# KiCad board data-center-ddr5-tester.kicad_pcb (continued)
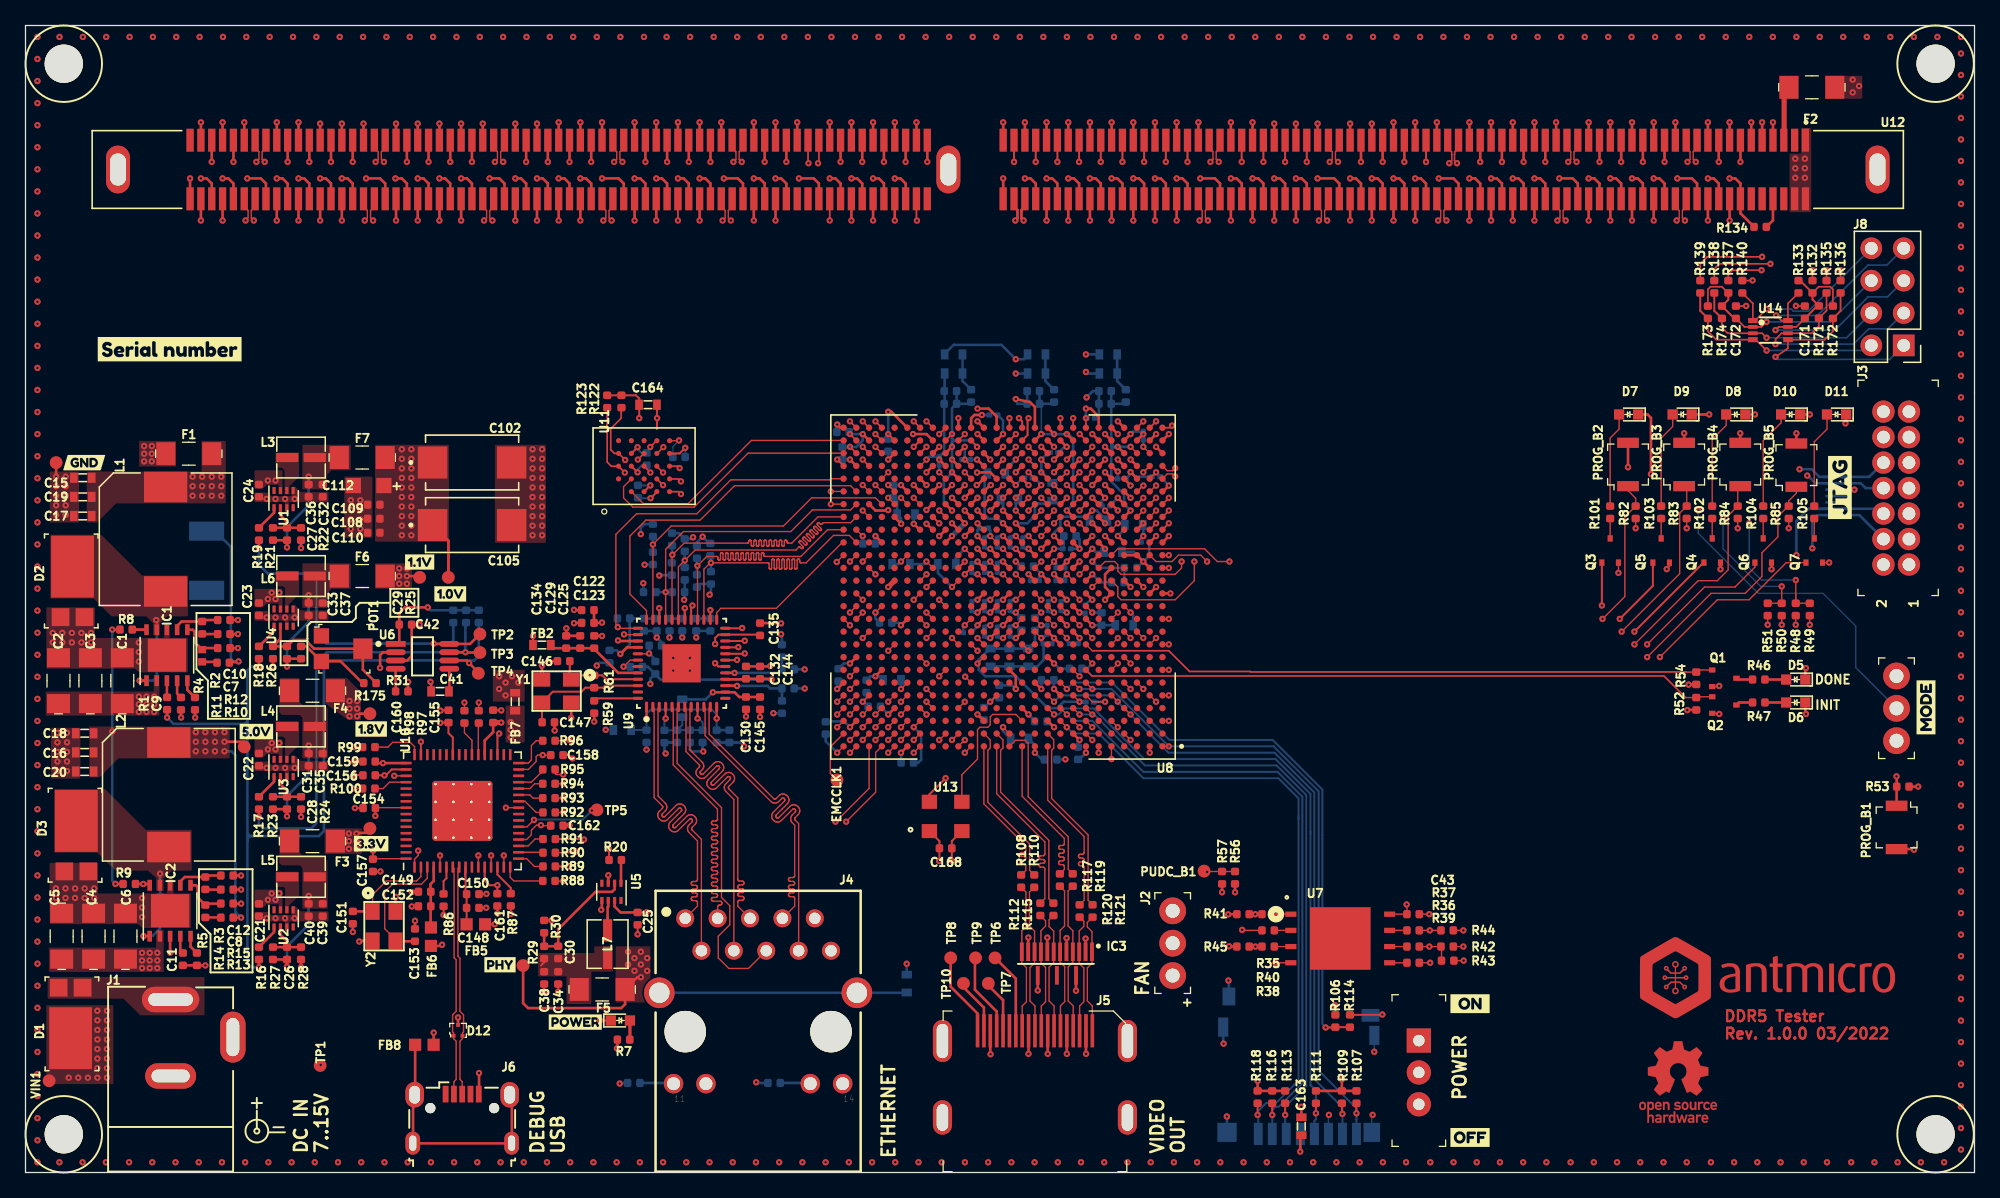
[diagram p0: board, top side]
## Routing (per net, layer and track width the routed paths; a pad name or vN(x,y) marks a point on that pad's centre or on a via; arc(x,y) is an arc through that point) (continued)
CB6_B: length 51.7
  Top w0.127: v3(80.64,52.94) U8.AA10
  Top w0.2: U12.234 v3(58.8,74.7)
  In5.Cu w0.127: v3(58.8,74.7) 58.8,74.2 58.8,74.17 58.79,74.14 58.77,74.12 58.75,74.1 58.73,74.09 58.7,74.08 58.67,74.07 58.54,74.07 58.51,74.07 58.48,74.06 58.46,74.05 58.44,74.03 58.42,74 58.41,73.97 58.41,73.95 58.41,73.92 58.42,73.89 58.44,73.87 58.46,73.85 58.48,73.83 58.51,73.82 58.54,73.82 59.06,73.82 59.09,73.82 59.12,73.81 59.14,73.79 59.16,73.77 59.18,73.75 59.19,73.72 59.19,73.69 59.19,73.66 59.18,73.64 59.16,73.61 59.14,73.59 59.12,73.58 59.09,73.57 59.06,73.56 58.54,73.56 58.51,73.56 58.48,73.55 58.46,73.54 58.44,73.52 58.42,73.49 58.41,73.47 58.41,73.44 58.41,73.41 58.42,73.38 58.44,73.36 58.46,73.34 58.48,73.32 58.51,73.31 58.54,73.31 59.06,73.31 59.09,73.31 59.12,73.3 59.14,73.28 59.16,73.26 59.18,73.24 59.19,73.21 59.19,73.18 59.19,73.16 59.18,73.13 59.16,73.1 59.14,73.08 59.12,73.07 59.09,73.06 59.06,73.06 58.54,73.06 58.51,73.05 58.48,73.04 58.46,73.03 58.44,73.01 58.42,72.99 58.41,72.96 58.41,72.93 58.41,72.9 58.42,72.87 58.44,72.85 58.46,72.83 58.48,72.82 58.51,72.81 58.54,72.8 59.06,72.8 59.09,72.8 59.12,72.79 59.14,72.78 59.16,72.76 59.18,72.73 59.19,72.7 59.19,72.68 59.19,72.65 59.18,72.62 59.16,72.6 59.14,72.58 59.12,72.56 59.09,72.55 59.06,72.55 58.54,72.55 58.51,72.55 58.48,72.54 58.46,72.52 58.44,72.5 58.42,72.48 58.41,72.45 58.41,72.42 58.41,72.39 58.42,72.37 58.44,72.34 58.46,72.32 58.48,72.31 58.51,72.3 58.54,72.3 59.06,72.3 59.09,72.29 59.12,72.28 59.14,72.27 59.16,72.25 59.18,72.22 59.19,72.2 59.19,72.17 59.19,72.14 59.18,72.11 59.16,72.09 59.14,72.07 59.12,72.05 59.09,72.04 59.06,72.04 58.54,72.04 58.51,72.04 58.48,72.03 58.46,72.01 58.44,71.99 58.42,71.97 58.41,71.94 58.41,71.91 58.41,71.89 58.42,71.86 58.44,71.83 58.46,71.81 58.48,71.8 58.51,71.79 58.54,71.79 59.06,71.79 59.09,71.78 59.12,71.77 59.14,71.76 59.16,71.74 59.18,71.72 59.19,71.69 59.19,71.66 59.19,71.63 59.18,71.6 59.16,71.58 59.14,71.56 59.12,71.55 59.09,71.54 59.06,71.53 58.54,71.53 58.51,71.53 58.48,71.52 58.46,71.51 58.44,71.49 58.42,71.46 58.41,71.43 58.41,71.41 58.41,71.38 58.42,71.35 58.44,71.33 58.46,71.31 58.48,71.29 58.51,71.28 58.54,71.28 58.67,71.28 58.7,71.28 58.73,71.27 58.75,71.25 58.77,71.23 58.79,71.21 58.8,71.18 58.8,71.15 58.8,70.03 59.14,69.69 75.39,69.69 80.14,64.94 80.14,57.69 78.64,56.19 78.64,54.94 79.14,54.44 79.14,53.69 79.39,53.44 U8.AA10 v3(80.64,52.94)
CB7_A: length 36.4
  Top w0.13: v3(80.64,53.94) U8.AA9
  Top w0.2: U12.205 v3(88.55,74.7)
  In5.Cu w0.127: v3(80.64,53.94) 80.14,54.44 80.14,56.44 80.64,56.94 80.64,57.94 81.76,59.06 81.76,60.69 85.01,63.94 88.14,63.94 88.55,64.35 88.55,70.65 88.55,70.68 88.56,70.7 88.58,70.73 88.6,70.75 88.62,70.76 88.65,70.77 88.68,70.78 88.81,70.78 88.83,70.78 88.86,70.79 88.88,70.8 88.9,70.82 88.92,70.85 88.93,70.87 88.93,70.9 88.93,70.93 88.92,70.96 88.9,70.98 88.88,71 88.86,71.02 88.83,71.03 88.81,71.03 88.29,71.03 88.27,71.03 88.24,71.04 88.22,71.06 88.2,71.08 88.18,71.1 88.17,71.13 88.17,71.16 88.17,71.18 88.18,71.21 88.2,71.24 88.22,71.26 88.24,71.27 88.27,71.28 88.29,71.28 88.81,71.28 88.83,71.29 88.86,71.3 88.88,71.31 88.9,71.33 88.92,71.35 88.93,71.38 88.93,71.41 88.93,71.44 88.92,71.47 88.9,71.49 88.88,71.51 88.86,71.52 88.83,71.53 88.81,71.54 88.29,71.54 88.27,71.54 88.24,71.55 88.22,71.56 88.2,71.58 88.18,71.61 88.17,71.64 88.17,71.66 88.17,71.69 88.18,71.72 88.2,71.74 88.22,71.76 88.24,71.78 88.27,71.79 88.29,71.79 88.81,71.79 88.83,71.79 88.86,71.8 88.88,71.82 88.9,71.84 88.92,71.86 88.93,71.89 88.93,71.92 88.93,71.95 88.92,71.97 88.9,72 88.88,72.02 88.86,72.03 88.83,72.04 88.81,72.05 88.29,72.05 88.27,72.05 88.24,72.06 88.22,72.07 88.2,72.09 88.18,72.12 88.17,72.14 88.17,72.17 88.17,72.2 88.18,72.23 88.2,72.25 88.22,72.27 88.24,72.29 88.27,72.3 88.29,72.3 88.81,72.3 88.83,72.3 88.86,72.31 88.88,72.33 88.9,72.35 88.92,72.37 88.93,72.4 88.93,72.43 88.93,72.45 88.92,72.48 88.9,72.51 88.88,72.53 88.86,72.54 88.83,72.55 88.81,72.55 88.29,72.55 88.27,72.56 88.24,72.57 88.22,72.58 88.2,72.6 88.18,72.62 88.17,72.65 88.17,72.68 88.17,72.71 88.18,72.74 88.2,72.76 88.22,72.78 88.24,72.79 88.27,72.8 88.29,72.81 88.81,72.81 88.83,72.81 88.86,72.82 88.88,72.83 88.9,72.85 88.92,72.88 88.93,72.91 88.93,72.93 88.93,72.96 88.92,72.99 88.9,73.01 88.88,73.03 88.86,73.05 88.83,73.06 88.81,73.06 88.29,73.06 88.27,73.06 88.24,73.07 88.22,73.09 88.2,73.11 88.18,73.13 88.17,73.16 88.17,73.19 88.17,73.22 88.18,73.24 88.2,73.27 88.22,73.29 88.24,73.3 88.27,73.31 88.29,73.31 88.81,73.31 88.83,73.32 88.86,73.33 88.88,73.34 88.9,73.36 88.92,73.39 88.93,73.41 88.93,73.44 88.93,73.47 88.92,73.5 88.9,73.52 88.88,73.54 88.86,73.56 88.83,73.57 88.81,73.57 88.29,73.57 88.27,73.57 88.24,73.58 88.22,73.6 88.2,73.62 88.18,73.64 88.17,73.67 88.17,73.7 88.17,73.72 88.18,73.75 88.2,73.78 88.22,73.8 88.24,73.81 88.27,73.82 88.29,73.82 88.42,73.82 88.45,73.83 88.48,73.84 88.5,73.85 88.52,73.87 88.54,73.89 88.55,73.92 88.55,73.95 v3(88.55,74.7)
CB7_B: length 51.6
  Top w0.13: U8.Y12 v3(78.64,52.94)
  Top w0.2: U12.236 v3(57.1,74.7)
  In5.Cu w0.127: v3(57.1,74.7) 57.1,74.2 57.1,74.17 57.09,74.14 57.07,74.12 57.05,74.1 57.03,74.09 57,74.08 56.97,74.07 56.83,74.07 56.8,74.07 56.77,74.06 56.75,74.05 56.73,74.03 56.71,74 56.7,73.97 56.7,73.95 56.7,73.92 56.71,73.89 56.73,73.87 56.75,73.85 56.77,73.83 56.8,73.82 56.83,73.82 57.37,73.82 57.4,73.82 57.43,73.81 57.45,73.79 57.47,73.77 57.49,73.75 57.5,73.72 57.5,73.69 57.5,73.66 57.49,73.64 57.47,73.61 57.45,73.59 57.43,73.58 57.4,73.57 57.37,73.56 56.83,73.56 56.8,73.56 56.77,73.55 56.75,73.54 56.73,73.52 56.71,73.49 56.7,73.47 56.7,73.44 56.7,73.41 56.71,73.38 56.73,73.36 56.75,73.34 56.77,73.32 56.8,73.31 56.83,73.31 57.37,73.31 57.4,73.31 57.43,73.3 57.45,73.28 57.47,73.26 57.49,73.24 57.5,73.21 57.5,73.18 57.5,73.16 57.49,73.13 57.47,73.1 57.45,73.08 57.43,73.07 57.4,73.06 57.37,73.06 56.83,73.06 56.8,73.05 56.77,73.04 56.75,73.03 56.73,73.01 56.71,72.99 56.7,72.96 56.7,72.93 56.7,72.9 56.71,72.87 56.73,72.85 56.75,72.83 56.77,72.82 56.8,72.81 56.83,72.8 57.37,72.8 57.4,72.8 57.43,72.79 57.45,72.78 57.47,72.76 57.49,72.73 57.5,72.7 57.5,72.68 57.5,72.65 57.49,72.62 57.47,72.6 57.45,72.58 57.43,72.56 57.4,72.55 57.37,72.55 56.83,72.55 56.8,72.55 56.77,72.54 56.75,72.52 56.73,72.5 56.71,72.48 56.7,72.45 56.7,72.42 56.7,72.39 56.71,72.37 56.73,72.34 56.75,72.32 56.77,72.31 56.8,72.3 56.83,72.3 57.37,72.3 57.4,72.29 57.43,72.28 57.45,72.27 57.47,72.25 57.49,72.22 57.5,72.2 57.5,72.17 57.5,72.14 57.49,72.11 57.47,72.09 57.45,72.07 57.43,72.05 57.4,72.04 57.37,72.04 56.83,72.04 56.8,72.04 56.77,72.03 56.75,72.01 56.73,71.99 56.71,71.97 56.7,71.94 56.7,71.91 56.7,71.89 56.71,71.86 56.73,71.83 56.75,71.81 56.77,71.8 56.8,71.79 56.83,71.79 57.37,71.79 57.4,71.78 57.43,71.77 57.45,71.76 57.47,71.74 57.49,71.72 57.5,71.69 57.5,71.66 57.5,71.63 57.49,71.6 57.47,71.58 57.45,71.56 57.43,71.55 57.4,71.54 57.37,71.53 56.83,71.53 56.8,71.53 56.77,71.52 56.75,71.51 56.73,71.49 56.71,71.46 56.7,71.43 56.7,71.41 56.7,71.38 56.71,71.35 56.73,71.33 56.75,71.31 56.77,71.29 56.8,71.28 56.83,71.28 56.97,71.28 57,71.28 57.03,71.27 57.05,71.25 57.07,71.23 57.09,71.21 57.1,71.18 57.1,71.15 57.1,68.98 57.39,68.69 74.89,68.69 79.14,64.44 79.14,58.94 78.14,57.94 78.14,53.44 v3(78.64,52.94)
CCLK: length 42.2
  Top w0.1: U8.C8 v1(82.64,34.94) ; R36.2 v1(110.06,17.73) 110.97,17.73 111.01,17.69 R43.1
  In9.Cu w0.1: v1(82.64,34.94) 83.64,33.94 83.64,30.64 84.84,29.44 93.04,29.44 102.74,19.74 110.39,19.74 110.74,19.39 110.74,17.99 110.48,17.73 v1(110.06,17.73)
CFGBVS: length 2.5
  Top w0.2: U8.P7 v1(83.64,46.94)
  Bottom w0.2: v1(83.64,46.94) 84.26,46.31 R55.2
CK_N: length 41.4
  Top w0.213: U12.218 77.5,75.78 77.77,75.52 77.77,74.87 v1(77.6,74.7) ; v1(80.64,55.94) U8.AD9
  In9.Cu w0.208: v1(80.64,55.94) 80.98,55.59 81.48,55.59 82.25,56.36 82.25,60.94 80.79,62.39 80.75,62.42 80.71,62.44 80.67,62.45 80.62,62.45 80.57,62.44 80.53,62.42 80.5,62.39 80.48,62.38 80.45,62.35 80.4,62.33 80.36,62.32 80.31,62.32 80.27,62.33 80.22,62.35 80.19,62.38 80.16,62.41 80.14,62.45 80.13,62.5 80.13,62.55 80.14,62.59 80.16,62.63 80.19,62.67 80.2,62.68 80.23,62.72 80.25,62.76 80.26,62.81 80.26,62.86 80.25,62.9 80.23,62.94 80.2,62.98 77.77,65.41 77.77,66.61 77.76,66.65 77.75,66.7 77.72,66.74 77.69,66.77 77.65,66.79 77.61,66.81 77.56,66.81 77.21,66.81 77.1,66.83 76.99,66.86 76.9,66.92 76.82,67 76.77,67.09 76.73,67.19 76.72,67.3 76.72,67.36 76.73,67.47 76.77,67.57 76.82,67.67 76.9,67.74 76.99,67.8 77.1,67.84 77.21,67.85 78.61,67.85 78.66,67.86 78.7,67.87 78.74,67.9 78.78,67.93 78.8,67.97 78.82,68.01 78.82,68.06 78.82,68.1 78.8,68.15 78.78,68.19 78.74,68.22 78.7,68.25 78.66,68.26 78.61,68.27 77.21,68.27 77.1,68.28 76.99,68.32 76.9,68.37 76.82,68.45 76.77,68.54 76.73,68.65 76.72,68.76 76.72,68.81 76.73,68.92 76.77,69.03 76.82,69.12 76.9,69.2 76.99,69.25 77.1,69.29 77.21,69.3 78.61,69.3 78.66,69.31 78.7,69.32 78.74,69.35 78.78,69.38 78.8,69.42 78.82,69.47 78.82,69.51 78.82,69.56 78.8,69.6 78.78,69.64 78.74,69.67 78.7,69.7 78.66,69.71 78.61,69.72 77.21,69.72 77.1,69.73 76.99,69.77 76.9,69.83 76.82,69.9 76.77,70 76.73,70.1 76.72,70.21 76.72,70.27 76.73,70.38 76.77,70.48 76.82,70.57 76.9,70.65 76.99,70.71 77.1,70.74 77.21,70.76 78.61,70.76 78.66,70.76 78.7,70.78 78.74,70.8 78.78,70.83 78.8,70.87 78.82,70.92 78.82,70.96 78.82,71.01 78.8,71.05 78.78,71.09 78.74,71.13 78.7,71.15 78.66,71.17 78.61,71.17 77.21,71.17 77.1,71.18 76.99,71.22 76.9,71.28 76.82,71.36 76.77,71.45 76.73,71.55 76.72,71.66 76.72,71.72 76.73,71.83 76.77,71.93 76.82,72.03 76.9,72.1 76.99,72.16 77.1,72.2 77.21,72.21 78.61,72.21 78.66,72.21 78.7,72.23 78.74,72.25 78.78,72.29 78.8,72.33 78.82,72.37 78.82,72.42 78.82,72.46 78.8,72.51 78.78,72.55 78.74,72.58 78.7,72.6 78.66,72.62 78.61,72.63 77.21,72.63 77.1,72.64 76.99,72.67 76.9,72.73 76.82,72.81 76.77,72.9 76.73,73.01 76.72,73.11 76.72,73.17 76.73,73.28 76.77,73.39 76.82,73.48 76.9,73.56 76.99,73.61 77.1,73.65 77.21,73.66 77.56,73.66 77.61,73.67 77.65,73.68 77.69,73.71 77.72,73.74 77.75,73.78 77.76,73.82 77.77,73.87 77.77,74.53 v1(77.6,74.7)
CK_P: length 41.4
  Top w0.213: v1(78.25,74.7) 78.08,74.87 78.08,75.52 78.35,75.78 U12.217 ; v1(80.64,54.94) U8.AC9
  In9.Cu w0.208: v1(78.25,74.7) 78.08,74.53 78.08,73.84 78.07,73.73 78.03,73.63 77.97,73.54 77.9,73.46 77.8,73.4 77.7,73.36 77.59,73.35 77.24,73.35 77.19,73.35 77.15,73.33 77.11,73.31 77.07,73.27 77.05,73.23 77.03,73.19 77.03,73.14 77.03,73.1 77.05,73.05 77.07,73.01 77.11,72.98 77.15,72.96 77.19,72.94 77.24,72.94 78.64,72.94 78.75,72.92 78.86,72.89 78.95,72.83 79.03,72.75 79.08,72.66 79.12,72.56 79.13,72.45 79.13,72.39 79.12,72.28 79.08,72.18 79.03,72.08 78.95,72.01 78.86,71.95 78.75,71.91 78.64,71.9 77.24,71.9 77.19,71.89 77.15,71.88 77.11,71.85 77.07,71.82 77.05,71.78 77.03,71.74 77.03,71.69 77.03,71.64 77.05,71.6 77.07,71.56 77.11,71.53 77.15,71.5 77.19,71.49 77.24,71.48 78.64,71.48 78.75,71.47 78.86,71.43 78.95,71.38 79.03,71.3 79.08,71.21 79.12,71.1 79.13,70.99 79.13,70.93 79.12,70.83 79.08,70.72 79.03,70.63 78.95,70.55 78.86,70.49 78.75,70.46 78.64,70.45 77.24,70.45 77.19,70.44 77.15,70.43 77.11,70.4 77.07,70.37 77.05,70.33 77.03,70.28 77.03,70.24 77.03,70.19 77.05,70.15 77.07,70.11 77.11,70.08 77.15,70.05 77.19,70.03 77.24,70.03 78.64,70.03 78.75,70.02 78.86,69.98 78.95,69.92 79.03,69.85 79.08,69.75 79.12,69.65 79.13,69.54 79.13,69.48 79.12,69.37 79.08,69.27 79.03,69.18 78.95,69.1 78.86,69.04 78.75,69.01 78.64,68.99 77.24,68.99 77.19,68.99 77.15,68.97 77.11,68.95 77.07,68.91 77.05,68.88 77.03,68.83 77.03,68.78 77.03,68.74 77.05,68.69 77.07,68.66 77.11,68.62 77.15,68.6 77.19,68.58 77.24,68.58 78.64,68.58 78.75,68.56 78.86,68.53 78.95,68.47 79.03,68.39 79.08,68.3 79.12,68.2 79.13,68.09 79.13,68.03 79.12,67.92 79.08,67.82 79.03,67.72 78.95,67.65 78.86,67.59 78.75,67.55 78.64,67.54 77.24,67.54 77.19,67.54 77.15,67.52 77.11,67.49 77.07,67.46 77.05,67.42 77.03,67.38 77.03,67.33 77.03,67.29 77.05,67.24 77.07,67.2 77.11,67.17 77.15,67.14 77.19,67.13 77.24,67.12 77.59,67.12 77.7,67.11 77.8,67.08 77.9,67.02 77.97,66.94 78.03,66.85 78.07,66.74 78.08,66.64 78.08,65.54 82.55,61.06 82.55,56.24 81.6,55.29 80.98,55.29 v1(80.64,54.94)
CS0_A_N: length 41.4
  Top w0.1: U8.AA2 v1(88.64,53.9)
  Top w0.15: U12.64 v1(86,79.3)
  In9.Cu w0.13: v1(88.64,53.9) 88.64,55.41 87.6,56.45 86.25,56.45 86.05,56.65 86.05,73.71 86.05,73.74 86.06,73.77 86.08,73.79 86.1,73.81 86.12,73.83 86.15,73.84 86.18,73.84 86.31,73.84 86.34,73.84 86.36,73.85 86.39,73.87 86.41,73.89 86.43,73.91 86.44,73.94 86.44,73.97 86.44,74 86.43,74.03 86.41,74.05 86.39,74.07 86.36,74.09 86.34,74.1 86.31,74.1 85.79,74.1 85.77,74.1 85.74,74.11 85.71,74.13 85.69,74.15 85.68,74.17 85.67,74.2 85.66,74.23 85.67,74.26 85.68,74.29 85.69,74.31 85.71,74.33 85.74,74.35 85.77,74.36 85.79,74.36 86.31,74.36 86.34,74.36 86.36,74.37 86.39,74.39 86.41,74.41 86.43,74.43 86.44,74.46 86.44,74.49 86.44,74.52 86.43,74.55 86.41,74.57 86.39,74.59 86.36,74.61 86.34,74.62 86.31,74.62 85.79,74.62 85.77,74.62 85.74,74.63 85.71,74.65 85.69,74.67 85.68,74.69 85.67,74.72 85.66,74.75 85.67,74.78 85.68,74.81 85.69,74.83 85.71,74.85 85.74,74.87 85.77,74.88 85.79,74.88 86.31,74.88 86.34,74.88 86.36,74.89 86.39,74.91 86.41,74.93 86.43,74.95 86.44,74.98 86.44,75.01 86.44,75.04 86.43,75.07 86.41,75.09 86.39,75.11 86.36,75.13 86.34,75.14 86.31,75.14 85.79,75.14 85.77,75.14 85.74,75.15 85.71,75.17 85.69,75.19 85.68,75.21 85.67,75.24 85.66,75.27 85.67,75.3 85.68,75.33 85.69,75.35 85.71,75.37 85.74,75.39 85.77,75.4 85.79,75.4 86.31,75.4 86.34,75.4 86.36,75.41 86.39,75.43 86.41,75.45 86.43,75.47 86.44,75.5 86.44,75.53 86.44,75.56 86.43,75.59 86.41,75.61 86.39,75.63 86.36,75.65 86.34,75.66 86.31,75.66 85.79,75.66 85.77,75.66 85.74,75.67 85.71,75.69 85.69,75.71 85.68,75.73 85.67,75.76 85.66,75.79 85.67,75.82 85.68,75.85 85.69,75.87 85.71,75.89 85.74,75.91 85.77,75.92 85.79,75.92 86.31,75.92 86.34,75.92 86.36,75.93 86.39,75.95 86.41,75.97 86.43,75.99 86.44,76.02 86.44,76.05 86.44,76.08 86.43,76.11 86.41,76.13 86.39,76.15 86.36,76.17 86.34,76.18 86.31,76.18 85.79,76.18 85.77,76.18 85.74,76.19 85.71,76.21 85.69,76.23 85.68,76.25 85.67,76.28 85.66,76.31 85.67,76.34 85.68,76.37 85.69,76.39 85.71,76.41 85.74,76.43 85.77,76.44 85.79,76.44 86.31,76.44 86.34,76.44 86.36,76.45 86.39,76.47 86.41,76.49 86.43,76.51 86.44,76.54 86.44,76.57 86.44,76.6 86.43,76.63 86.41,76.65 86.39,76.67 86.36,76.69 86.34,76.7 86.31,76.7 85.79,76.7 85.77,76.7 85.74,76.71 85.71,76.73 85.69,76.75 85.68,76.77 85.67,76.8 85.66,76.83 85.67,76.86 85.68,76.89 85.69,76.91 85.71,76.93 85.74,76.95 85.77,76.96 85.79,76.96 86.31,76.96 86.34,76.96 86.36,76.97 86.39,76.99 86.41,77.01 86.43,77.03 86.44,77.06 86.44,77.09 86.44,77.12 86.43,77.15 86.41,77.17 86.39,77.19 86.36,77.21 86.34,77.22 86.31,77.22 85.79,77.22 85.77,77.22 85.74,77.23 85.71,77.25 85.69,77.27 85.68,77.29 85.67,77.32 85.66,77.35 85.67,77.38 85.68,77.41 85.69,77.43 85.71,77.45 85.74,77.47 85.77,77.48 85.79,77.48 86.31,77.48 86.34,77.48 86.36,77.49 86.39,77.51 86.41,77.53 86.43,77.55 86.44,77.58 86.44,77.61 86.44,77.64 86.43,77.67 86.41,77.69 86.39,77.71 86.36,77.73 86.34,77.74 86.31,77.74 85.79,77.74 85.77,77.74 85.74,77.75 85.71,77.77 85.69,77.79 85.68,77.81 85.67,77.84 85.66,77.87 85.67,77.9 85.68,77.93 85.69,77.95 85.71,77.97 85.74,77.99 85.77,78 85.79,78 86.26,78 86.29,78 86.31,78.01 86.34,78.03 86.36,78.05 86.38,78.07 86.39,78.1 86.39,78.13 86.39,78.16 86.38,78.19 86.36,78.21 86.34,78.23 86.31,78.25 86.29,78.26 86.26,78.26 85.79,78.26 85.77,78.26 85.74,78.27 85.71,78.29 85.69,78.31 85.68,78.33 85.67,78.36 85.66,78.39 85.67,78.42 85.68,78.45 85.69,78.47 85.71,78.49 85.74,78.51 85.77,78.52 85.79,78.52 85.92,78.52 85.95,78.52 85.98,78.53 86,78.55 86.02,78.57 86.04,78.59 86.05,78.62 86.05,78.65 86.05,78.85 86,78.9 v1(86,79.3)
CS0_B_N: length 41.4
  Top w0.13: v4(78.64,55.94) U8.AC11
  Top w0.2: U12.84 v4(63.9,79.3)
  In2.Cu w0.127: v4(78.64,55.94) 78.14,56.44 78.14,57.19 77.89,57.44 77.39,57.44 77.14,57.69 77.14,58.44 76.51,59.06 76.51,65.81 73.64,68.69 64.14,68.69 63.9,68.93 63.9,76.92 63.9,76.95 63.91,76.98 63.93,77 63.95,77.02 63.97,77.04 64,77.05 64.03,77.05 64.14,77.05 64.17,77.05 64.19,77.06 64.22,77.08 64.24,77.1 64.25,77.12 64.26,77.15 64.27,77.18 64.26,77.2 64.25,77.23 64.24,77.26 64.22,77.28 64.19,77.29 64.17,77.3 64.14,77.3 63.66,77.3 63.63,77.31 63.61,77.32 63.58,77.33 63.56,77.35 63.55,77.37 63.54,77.4 63.53,77.43 63.54,77.46 63.55,77.49 63.56,77.51 63.58,77.53 63.61,77.54 63.63,77.55 63.66,77.56 64.14,77.56 64.17,77.56 64.19,77.57 64.22,77.58 64.24,77.6 64.25,77.63 64.26,77.66 64.27,77.68 64.26,77.71 64.25,77.74 64.24,77.76 64.22,77.78 64.19,77.8 64.17,77.81 64.14,77.81 63.66,77.81 63.63,77.81 63.61,77.82 63.58,77.84 63.56,77.86 63.55,77.88 63.54,77.91 63.53,77.94 63.54,77.97 63.55,77.99 63.56,78.02 63.58,78.04 63.61,78.05 63.63,78.06 63.66,78.06 64.14,78.06 64.17,78.07 64.19,78.08 64.22,78.09 64.24,78.11 64.25,78.14 64.26,78.16 64.27,78.19 64.26,78.22 64.25,78.25 64.24,78.27 64.22,78.29 64.19,78.31 64.17,78.32 64.14,78.32 63.66,78.32 63.63,78.32 63.61,78.33 63.58,78.35 63.56,78.37 63.55,78.39 63.54,78.42 63.53,78.45 63.54,78.47 63.55,78.5 63.56,78.53 63.58,78.55 63.61,78.56 63.63,78.57 63.66,78.57 63.77,78.57 63.8,78.58 63.83,78.59 63.85,78.6 63.87,78.62 63.89,78.64 63.9,78.67 63.9,78.7 v4(63.9,79.3)
CS1_A_N: length 41.4
  Top w0.13: U8.AA3 v1(87.64,53.9)
  Top w0.2: U12.209 v1(85.15,74.7)
  In9.Cu w0.13: v1(85.15,74.7) 85.15,74.25 85.15,74.22 85.14,74.19 85.12,74.17 85.1,74.15 85.08,74.13 85.05,74.12 85.02,74.12 84.89,74.12 84.86,74.12 84.83,74.11 84.81,74.09 84.79,74.07 84.77,74.05 84.76,74.02 84.76,73.99 84.76,73.96 84.77,73.93 84.79,73.91 84.81,73.89 84.83,73.87 84.86,73.86 84.89,73.86 85.41,73.86 85.44,73.86 85.47,73.85 85.49,73.83 85.51,73.81 85.53,73.79 85.54,73.76 85.54,73.73 85.54,73.7 85.53,73.67 85.51,73.65 85.49,73.63 85.47,73.61 85.44,73.6 85.41,73.6 84.89,73.6 84.86,73.6 84.83,73.59 84.81,73.57 84.79,73.55 84.77,73.53 84.76,73.5 84.76,73.47 84.76,73.44 84.77,73.41 84.79,73.39 84.81,73.37 84.83,73.35 84.86,73.34 84.89,73.34 85.41,73.34 85.44,73.34 85.47,73.33 85.49,73.31 85.51,73.29 85.53,73.27 85.54,73.24 85.54,73.21 85.54,73.18 85.53,73.15 85.51,73.13 85.49,73.11 85.47,73.09 85.44,73.08 85.41,73.08 84.89,73.08 84.86,73.08 84.83,73.07 84.81,73.05 84.79,73.03 84.77,73.01 84.76,72.98 84.76,72.95 84.76,72.92 84.77,72.89 84.79,72.87 84.81,72.85 84.83,72.83 84.86,72.82 84.89,72.82 85.41,72.82 85.44,72.82 85.47,72.81 85.49,72.79 85.51,72.77 85.53,72.75 85.54,72.72 85.54,72.69 85.54,72.66 85.53,72.63 85.51,72.61 85.49,72.59 85.47,72.57 85.44,72.56 85.41,72.56 84.89,72.56 84.86,72.56 84.83,72.55 84.81,72.53 84.79,72.51 84.77,72.49 84.76,72.46 84.76,72.43 84.76,72.4 84.77,72.37 84.79,72.35 84.81,72.33 84.83,72.31 84.86,72.3 84.89,72.3 85.41,72.3 85.44,72.3 85.47,72.29 85.49,72.27 85.51,72.25 85.53,72.23 85.54,72.2 85.54,72.17 85.54,72.14 85.53,72.11 85.51,72.09 85.49,72.07 85.47,72.05 85.44,72.04 85.41,72.04 84.89,72.04 84.86,72.04 84.83,72.03 84.81,72.01 84.79,71.99 84.77,71.97 84.76,71.94 84.76,71.91 84.76,71.88 84.77,71.85 84.79,71.83 84.81,71.81 84.83,71.79 84.86,71.78 84.89,71.78 85.41,71.78 85.44,71.78 85.47,71.77 85.49,71.75 85.51,71.73 85.53,71.71 85.54,71.68 85.54,71.65 85.54,71.62 85.53,71.59 85.51,71.57 85.49,71.55 85.47,71.53 85.44,71.52 85.41,71.52 84.89,71.52 84.86,71.52 84.83,71.51 84.81,71.49 84.79,71.47 84.77,71.45 84.76,71.42 84.76,71.39 84.76,71.36 84.77,71.33 84.79,71.31 84.81,71.29 84.83,71.27 84.86,71.26 84.89,71.26 85.41,71.26 85.44,71.26 85.47,71.25 85.49,71.23 85.51,71.21 85.53,71.19 85.54,71.16 85.54,71.13 85.54,71.1 85.53,71.07 85.51,71.05 85.49,71.03 85.47,71.01 85.44,71 85.41,71 84.89,71 84.86,71 84.83,70.99 84.81,70.97 84.79,70.95 84.77,70.93 84.76,70.9 84.76,70.87 84.76,70.84 84.77,70.81 84.79,70.79 84.81,70.77 84.83,70.75 84.86,70.74 84.89,70.74 85.41,70.74 85.44,70.74 85.47,70.73 85.49,70.71 85.51,70.69 85.53,70.67 85.54,70.64 85.54,70.61 85.54,70.58 85.53,70.55 85.51,70.53 85.49,70.51 85.47,70.49 85.44,70.48 85.41,70.48 84.89,70.48 84.86,70.48 84.83,70.47 84.81,70.45 84.79,70.43 84.77,70.41 84.76,70.38 84.76,70.35 84.76,70.32 84.77,70.29 84.79,70.27 84.81,70.25 84.83,70.23 84.86,70.22 84.89,70.22 85.41,70.22 85.44,70.22 85.47,70.21 85.49,70.19 85.51,70.17 85.53,70.15 85.54,70.12 85.54,70.09 85.54,70.06 85.53,70.03 85.51,70.01 85.49,69.99 85.47,69.97 85.44,69.96 85.41,69.96 84.89,69.96 84.86,69.96 84.83,69.95 84.81,69.93 84.79,69.91 84.77,69.89 84.76,69.86 84.76,69.83 84.76,69.8 84.77,69.77 84.79,69.75 84.81,69.73 84.83,69.71 84.86,69.7 84.89,69.7 85.41,69.7 85.44,69.7 85.47,69.69 85.49,69.67 85.51,69.65 85.53,69.63 85.54,69.6 85.54,69.57 85.54,69.54 85.53,69.51 85.51,69.49 85.49,69.47 85.47,69.45 85.44,69.44 85.41,69.44 84.89,69.44 84.86,69.44 84.83,69.43 84.81,69.41 84.79,69.39 84.77,69.37 84.76,69.34 84.76,69.31 84.76,69.28 84.77,69.25 84.79,69.23 84.81,69.21 84.83,69.19 84.86,69.18 84.89,69.18 85.41,69.18 85.44,69.18 85.47,69.17 85.49,69.15 85.51,69.13 85.53,69.11 85.54,69.08 85.54,69.05 85.54,69.02 85.53,68.99 85.51,68.97 85.49,68.95 85.47,68.93 85.44,68.92 85.41,68.92 84.89,68.92 84.86,68.92 84.83,68.91 84.81,68.89 84.79,68.87 84.77,68.85 84.76,68.82 84.76,68.79 84.76,68.76 84.77,68.73 84.79,68.71 84.81,68.69 84.83,68.67 84.86,68.66 84.89,68.66 85.41,68.66 85.44,68.66 85.47,68.65 85.49,68.63 85.51,68.61 85.53,68.59 85.54,68.56 85.54,68.53 85.54,68.5 85.53,68.47 85.51,68.45 85.49,68.43 85.47,68.41 85.44,68.4 85.41,68.4 84.89,68.4 84.86,68.4 84.83,68.39 84.81,68.37 84.79,68.35 84.77,68.33 84.76,68.3 84.76,68.27 84.76,68.24 84.77,68.21 84.79,68.19 84.81,68.17 84.83,68.15 84.86,68.14 84.89,68.14 85.02,68.14 85.05,68.14 85.08,68.13 85.1,68.11 85.12,68.09 85.14,68.07 85.15,68.04 85.15,68.01 85.15,53.85 85.52,53.48 87.22,53.48 v1(87.64,53.9)
CS1_B_N: length 41.4
  Top w0.127: U12.229 v4(63.05,74.7) ; U8.AB11 v4(78.64,54.94)
  In2.Cu w0.127: v4(63.05,74.7) 63.05,74.15 63.05,74.12 63.04,74.09 63.02,74.07 63,74.05 62.98,74.04 62.95,74.03 62.92,74.02 62.88,74.02 62.85,74.02 62.83,74.01 62.8,74 62.78,73.98 62.77,73.95 62.76,73.92 62.75,73.9 62.76,73.87 62.77,73.84 62.78,73.82 62.8,73.8 62.83,73.78 62.85,73.77 62.88,73.77 63.22,73.77 63.25,73.77 63.27,73.76 63.3,73.74 63.32,73.72 63.33,73.7 63.34,73.67 63.35,73.64 63.34,73.61 63.33,73.59 63.32,73.56 63.3,73.54 63.27,73.53 63.25,73.52 63.22,73.52 62.88,73.52 62.85,73.51 62.83,73.5 62.8,73.49 62.78,73.47 62.77,73.44 62.76,73.42 62.75,73.39 62.76,73.36 62.77,73.33 62.78,73.31 62.8,73.29 62.83,73.27 62.85,73.26 62.88,73.26 63.22,73.26 63.25,73.26 63.27,73.25 63.3,73.23 63.32,73.21 63.33,73.19 63.34,73.16 63.35,73.13 63.34,73.11 63.33,73.08 63.32,73.05 63.3,73.03 63.27,73.02 63.25,73.01 63.22,73.01 62.88,73.01 62.85,73 62.83,72.99 62.8,72.98 62.78,72.96 62.77,72.94 62.76,72.91 62.75,72.88 62.76,72.85 62.77,72.82 62.78,72.8 62.8,72.78 62.83,72.77 62.85,72.76 62.88,72.75 63.22,72.75 63.25,72.75 63.27,72.74 63.3,72.73 63.32,72.71 63.33,72.68 63.34,72.65 63.35,72.63 63.34,72.6 63.33,72.57 63.32,72.55 63.3,72.53 63.27,72.51 63.25,72.5 63.22,72.5 62.88,72.5 62.85,72.5 62.83,72.49 62.8,72.47 62.78,72.45 62.77,72.43 62.76,72.4 62.75,72.37 62.76,72.34 62.77,72.32 62.78,72.29 62.8,72.27 62.83,72.26 62.85,72.25 62.88,72.25 63.22,72.25 63.25,72.24 63.27,72.23 63.3,72.22 63.32,72.2 63.33,72.17 63.34,72.15 63.35,72.12 63.34,72.09 63.33,72.06 63.32,72.04 63.3,72.02 63.27,72 63.25,71.99 63.22,71.99 62.88,71.99 62.85,71.99 62.83,71.98 62.8,71.96 62.78,71.94 62.77,71.92 62.76,71.89 62.75,71.86 62.76,71.84 62.77,71.81 62.78,71.78 62.8,71.76 62.83,71.75 62.85,71.74 62.88,71.74 63.22,71.74 63.25,71.73 63.27,71.72 63.3,71.71 63.32,71.69 63.33,71.67 63.34,71.64 63.35,71.61 63.34,71.58 63.33,71.55 63.32,71.53 63.3,71.51 63.27,71.5 63.25,71.49 63.22,71.48 62.88,71.48 62.85,71.48 62.83,71.47 62.8,71.46 62.78,71.44 62.77,71.41 62.76,71.38 62.75,71.36 62.76,71.33 62.77,71.3 62.78,71.28 62.8,71.26 62.83,71.24 62.85,71.23 62.88,71.23 63.22,71.23 63.25,71.23 63.27,71.22 63.3,71.2 63.32,71.18 63.33,71.16 63.34,71.13 63.35,71.1 63.34,71.07 63.33,71.05 63.32,71.02 63.3,71 63.27,70.99 63.25,70.98 63.22,70.97 62.88,70.97 62.85,70.97 62.83,70.96 62.8,70.95 62.78,70.93 62.77,70.9 62.76,70.88 62.75,70.85 62.76,70.82 62.77,70.79 62.78,70.77 62.8,70.75 62.83,70.73 62.85,70.72 62.88,70.72 62.92,70.72 62.95,70.72 62.98,70.71 63,70.69 63.02,70.67 63.04,70.65 63.05,70.62 63.05,70.59 63.05,68.53 63.39,68.19 73.39,68.19 76.14,65.44 76.14,57.69 76.39,57.44 76.89,57.44 77.14,57.19 77.14,55.69 77.39,55.44 78.14,55.44 v4(78.64,54.94)
DBG_USB_N: length 18.2
  Top w0.1: J6.2 33.59,7.13 33.76,7.3 33.76,10.3 33.56,10.5 D12.1 33.56,10.95 33.48,11.03 33.48,12.37 33.76,12.65 33.76,16.69 33.6,16.86 33.6,23.86 U10.7
DBG_USB_P: length 18.2
  Top w0.1: J6.3 34.24,7.13 34.06,7.3 34.06,10.3 34.26,10.5 D12.2 34.26,10.95 34.34,11.03 34.34,12.37 34.06,12.65 34.06,16.82 33.9,16.98 33.9,23.86 U10.8
DLBDQ: length 41.4
  Top w0.13: v4(73.64,54.94) U8.AB16 ; U12.86 62.2,79.25 v4(62.14,79.19)
  In2.Cu w0.127: v4(73.64,54.94) U8.AB16 75.14,54.44 76.14,55.44 76.14,57.19 75.76,57.56 75.76,65.06 73.14,67.69 62.64,67.69 62.14,68.19 v4(62.14,79.19)
DLBDQS: length 41.4
  Top w0.13: v4(73.64,55.94) U8.AC16 ; U12.87 61.35,79.23 v4(61.39,79.19)
  In2.Cu w0.127: v4(61.39,79.19) 61.39,77.21 61.38,77.19 61.37,77.16 61.36,77.13 61.34,77.11 61.31,77.1 61.29,77.09 61.26,77.09 61.18,77.09 61.15,77.08 61.13,77.07 61.1,77.06 61.08,77.04 61.07,77.01 61.06,76.99 61.06,76.96 61.06,76.93 61.07,76.9 61.08,76.88 61.1,76.86 61.13,76.85 61.15,76.84 61.18,76.83 61.59,76.83 61.62,76.83 61.65,76.82 61.67,76.8 61.69,76.78 61.7,76.76 61.71,76.73 61.72,76.71 61.71,76.68 61.7,76.65 61.69,76.63 61.67,76.61 61.65,76.59 61.62,76.58 61.59,76.58 61.18,76.58 61.15,76.58 61.13,76.57 61.1,76.55 61.08,76.53 61.07,76.51 61.06,76.48 61.06,76.45 61.06,76.42 61.07,76.4 61.08,76.37 61.1,76.35 61.13,76.34 61.15,76.33 61.18,76.32 61.59,76.32 61.62,76.32 61.65,76.31 61.67,76.3 61.69,76.28 61.7,76.25 61.71,76.23 61.72,76.2 61.71,76.17 61.7,76.14 61.69,76.12 61.67,76.1 61.65,76.08 61.62,76.07 61.59,76.07 61.51,76.07 61.49,76.07 61.46,76.06 61.43,76.04 61.41,76.02 61.4,76 61.39,75.97 61.39,75.94 61.39,67.69 61.89,67.19 72.89,67.19 75.39,64.69 75.39,57.69 75.14,57.44 75.14,56.56 75.01,56.44 74.14,56.44 v4(73.64,55.94)
DONE: length 50.1
  Top w0.1: 130.19,39.28 130.2,39.26 R54.2 131.15,39.43 Q1.1 ; U8.J7 83.64,40.94
  Top w0.127: 130.19,39.28 96.05,39.28 96.01,39.31 91.26,39.31 89.64,40.94 83.64,40.94